# Altium PCB BTF16.PcbDoc (part 3 of 4) (continued)
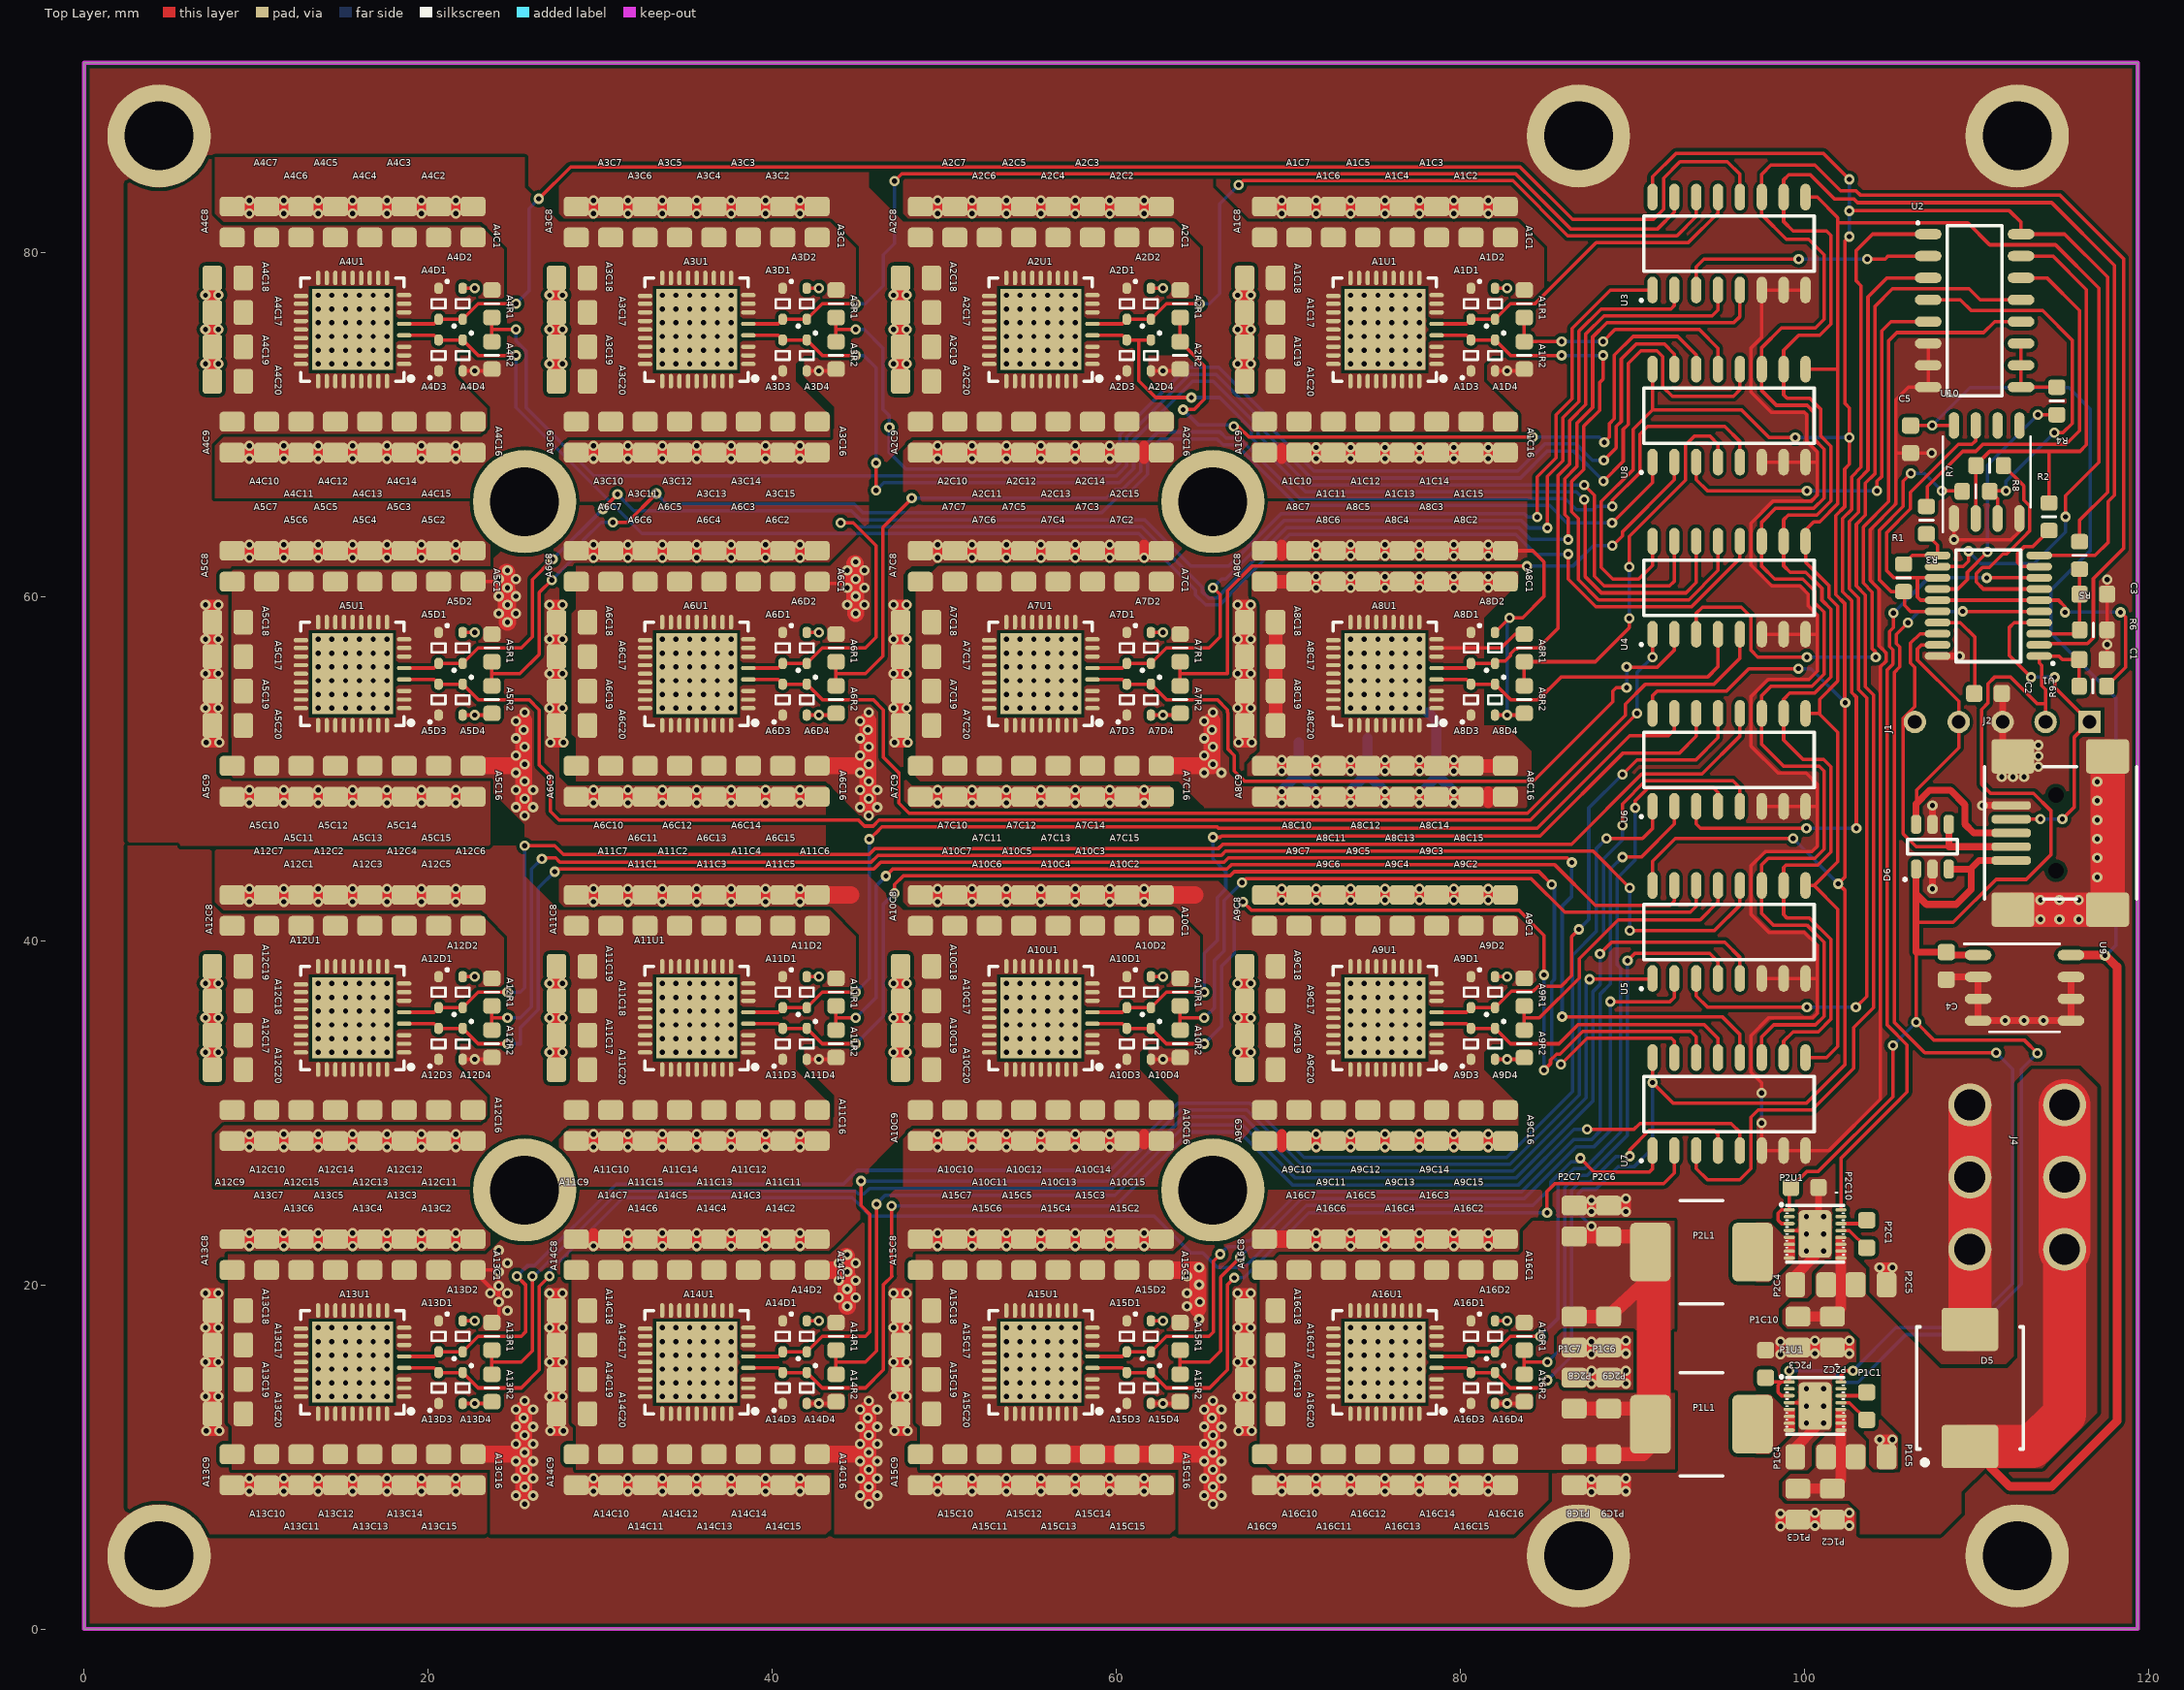
[diagram p0: Top Layer view]
## Nets (pads, with @x,y where several pads share a name; then routed paths per layer and width w, separated by ;. In a path a pad name is that pad's centre, name@x,y a point inside that pad or via, vN(x,y) a via of type N, cw(c..) or ccw(c..) an arc to the next point about the centre after c; other vN are vias at no path point) (continued)
  Top Layer w0.8: P2U1.17@100.6,22.95 P2U1.17@100.8,23.15
  Top Layer w2: J2.9@112.1,41.8 J2.8@117.6,41.8 J2.7@117.6,50.7
  Top Layer w2.5: D5.2@109.6,17.4 J4.6@109.6,22.05 J4.5@109.6,26.25 J4.4@109.6,30.45
  Bottom Layer w0.2: v1(97.5,29.4) v1(97.5,31.15)
  other v1: 100.6,6 100.6,6.75 100.1,11.95 101.1,11.95 100.1,12.95 101.1,12.95 100.1,13.95 101.1,13.95 100.6,16 100.6,16.75 100.1,21.95 101.1,21.95 100.1,22.95 101.1,22.95 100.1,23.95 101.1,23.95 111.65,35.35 112.75,35.35 113.875,35.35 113.7,41.225 114.8,41.225 115.925,41.225 113.7,42.35 114.8,42.35 115.925,42.35 117,43.675 117,44.8 117,45.9 117,47 117,48.125 117,49.225 111.45,49.5 112.1,49.5 112.75,49.5 113.575,50.1 113.575,50.725 113.575,51.35 117.575,57.2 73.6,73.5 74.4,73.5 75.2,73.5 76,73.5 76.8,73.5 77.6,73.5 73.6,74.3 74.4,74.3 75.2,74.3 76,74.3 76.8,74.3 77.6,74.3 73.6,75.1 74.4,75.1 75.2,75.1 76,75.1 76.8,75.1 77.6,75.1 73.6,75.9 74.4,75.9 75.2,75.9 76,75.9 76.8,75.9 77.6,75.9 73.6,76.7 74.4,76.7 75.2,76.7 76,76.7 76.8,76.7 77.6,76.7 73.6,77.5 74.4,77.5 75.2,77.5 76,77.5 76.8,77.5 77.6,77.5
MCLR: J1.1 J2.4 U1.4 | length 19.3
  Top Layer w0.2: J2.4@112,47.05 v1(113.7,47.05) ; v1(113.15,55.3) 111.9,56.55 111.9,58.2 112.175,58.475 U1.4@113.625,58.475 ; v1(114.525,55.3) 114.525,54.725 J1.1@116.55,52.7 115.65,51.8 115.65,47.725 v1(114.975,47.05)
  Bottom Layer w0.2: v1(113.15,55.3) v1(114.525,55.3) ; v1(113.7,47.05) v1(114.975,47.05)
P1BOOT: P1C1.1 P1U1.14 | length 1.6
  Top Layer w0.2: P1U1.14@102.1,13.55 103.4,13.55 P1C1.1@103.6,13.75
P1BOOT_R: P1C1.2 P1U1.13 | length 1.9
  Top Layer w0.2: P1U1.13@102.1,13.15 102.6,13.15 P1C1.2@103.6,12.15
P1SW: P1L1.2 P1U1.5 P1U1.6 P1U1.7 P1U1.8 | length 0.6
  Top Layer w0.6: P1L1.2@96.975,11.9 P1L1.2@97.425,12.35
P1VDD: A16C1.1 A16C2.1 A16C3.1 A16C4.1 A16C5.1 A16C6.1 A16C7.1 A16C8.1 A16C9.1 A16C10.1 A16C11.1 A16C12.1 A16C13.1 A16C14.1 A16C15.1 A16C16.1 A16C17.1 A16C18.1 A16C19.1 A16C20.1 A16D1.1 A16D3.1 A16R1.1 A16U1.1 A16U1.2 A16U1.3 A16U1.4 A16U1.5 A16U1.6 A16U1.7 A16U1.8 A16U1.9 A16U1.10 A16U1.11 A16U1.12 A16U1.13 A16U1.14 A16U1.15 A16U1.16 A16U1.17 A16U1.18 A16U1.19 A16U1.20 A16U1.21 A16U1.24 A16U1.25 A16U1.26 A16U1.27 A16U1.28 A16U1.29 A16U1.30 A16U1.31 A16U1.32 A16U1.33 A16U1.34 A16U1.35 P1C6.1 P1C7.1 P1C8.1 P1C9.1 P1L1.1 P2C6.1 P2C7.1 P2C8.1 P2C9.1 P2L1.1 R5.1 U2.16 U3.16 U4.16 U5.16 U6.16 U7.16 U8.16 | length 213.7
  Top Layer w0.2: 91.15,61.8 90.35,61 88.85,61 88.175,61.675 88.175,65.5 90.025,67.35 90.025,69.7 91.155,70.83 91.155,71.795 ; 91.15,71.8 91.155,71.795 ; U7.16@91.155,33.2 91.155,31.745 92.35,30.55 100.1,30.55 102.35,32.8 102.35,42.9 v1(101.95,43.3) 102.35,43.7 v1(102.35,53.825) 102.325,53.85 102.325,59.581 101.8,60.106 101.8,64.689 102.325,65.214 102.325,65.678 102.325,67.4 102.6,67.675 v1(102.6,69.225) 102.6,70.95 102.35,71.2 102.35,80.65 v1(102.6,80.9) ; U5.16@91.155,43.15 U5.16@91.155,43.2 91.155,44.605 92.475,45.925 v1(99.325,45.925) ; U6.16@91.155,53.2 91.155,54.23 91.425,54.5 95.45,54.5 96.75,55.8 v1(99.625,55.8) ; 91.155,61.795 U4.16@91.155,63.2 U4.16@91.155,63.25 ; 91.155,70.825 96.325,70.825 97.925,69.225 v1@99.455,69.225 ; U8.16@91.155,73.25 U8.16@91.155,73.2 91.155,71.795 ; U3.16@91.155,83.2 91.155,84.38 92.5,85.725 101.1,85.725 v1(102.6,84.225) ; v1(102.6,82.4) 111.9,82.4 112.575,81.725 U2.16@112.575,81.045 115.105,81.045 117.6,78.55 117.6,66.05 115.975,64.425 R5.1@115.975,63.175
  Top Layer w0.8: P1C8.1@86.6,10.15 P1C9.1@88.6,10.15 90.6,10.15 91.025,10.575 91.225,11.9 90.125,12.8 P1C6.1@88.6,12.8 P1C7.1@86.6,12.8 ; P2C8.1@86.6,18.15 P2C9.1@88.6,18.15 91.225,20.575 P2L1.1@91.025,21.9 90.125,22.8 P2C6.1@88.6,22.8 P2C7.1@86.6,22.8
  Top Layer w2: P1L1.1@91.225,11.9 P2L1.1@91.225,20.575
  Bottom Layer w0.2: v1(87.6,23.4) 86.85,24.15 86.85,25.3 87.1,25.55 87.85,25.55 89.162,26.862 90.074,26.862 90.086,26.875 90.1,26.875 91.15,27.925 v1(91.15,31.75) ; v1(99.325,45.925) v1(101.95,43.3) ; v1(99.45,69.22) v1@102.595,69.22 ; v1(99.625,55.8) 100.375,55.8 v1(102.35,53.825) ; v1(102.6,80.9) v1(102.6,82.4) v1(102.6,84.225)
P2BOOT: P2C1.1 P2U1.14 | length 1.6
  Top Layer w0.2: P2U1.14@102.1,23.55 103.4,23.55 P2C1.1@103.6,23.75
P2BOOT_R: P2C1.2 P2U1.13 | length 1.9
  Top Layer w0.2: P2U1.13@102.1,23.15 102.6,23.15 P2C1.2@103.6,22.15
P2SW: P2L1.2 P2U1.5 P2U1.6 P2U1.7 P2U1.8 | length 0.6
  Top Layer w0.6: P2L1.2@96.975,21.9 P2L1.2@97.425,22.35
PGD/VREF: R1.1 R8.1 U1.16 | length 15.1
  Top Layer w0.2: R1.1@105.475,60.275 105.8,59.95 105.8,59.475 106.15,59.125 U1.16@107.725,59.125 ; R1.1@105.75,60.275 105.025,60.275 104.35,60.95 104.35,63.845 105.725,65.22 105.725,66.7 v1(106.162,67.137) ; v1@107.95,66.15 v1(107.975,66.125) R8.1@109.15,66.125
  Bottom Layer w0.2: v1(106.162,67.137) 106.962,67.137 v1(107.975,66.125)
PWM1: P1U1.16 | length 0.4
  Top Layer w0.2: 102.1,14.725 102.375,15
PWM1: U1.5 | length 64.2
  Top Layer w0.2: 102.1,14.35 102.1,14.725 ; 102.375,15 v1(102.8,15) ; v1(106,58.475) 105.325,57.8 105.325,57.255 105.525,57.055 105.525,55.895 105.2,55.57 105.2,35.25 106.975,33.475 v1(111.125,33.475) ; v1(109.175,59.125) U1.5@113.625,59.125
  Bottom Layer w0.2: v1(102.8,15) 105.3,17.5 109.5,17.5 112.075,20.075 112.075,32.525 v1(111.125,33.475) ; v1(106,58.475) 106.65,59.125 v1(109.175,59.125)
PWM2: P2U1.16
PWM2: U1.8 | length 46.4
  Top Layer w0.2: 102.1,24.35 102.1,27.334 105.525,30.759 105.525,30.775 105.95,31.2 105.95,33.934 104.8,35.084 104.8,55.736 105.125,56.061 105.125,56.889 104.925,57.089 104.925,57.966 105.15,58.191 v1(105.15,59.025) ; v1(110.575,61.075) U1.8@113.625,61.075
  Bottom Layer w0.2: v1(105.15,59.025) 107.2,61.075 v1(110.575,61.075)
REF1: A1R1.2 A1R2.1 U8.13 | length 14.6
  Top Layer w0.2: A1R1.2@83.7,76.2 A1R2.1@83.7,74.8 v1(85.875,74.8) ; v1(88.275,74.8) 88.975,75.5 93.875,75.5 94.965,74.41 U8.13@94.965,73.2
  Bottom Layer w0.2: v1(85.875,74.8) v1(88.275,74.8)
REF2: A2R1.2 A2R2.1 U8.14 | length 43.9
  Top Layer w0.2: A2R1.2@63.7,76.2 A2R2.1@63.7,74.8 65.1,73.4 65.1,71.45 64.5,70.85 v1(63.875,70.85) ; v1(66.825,69.875) 67.075,69.875 67.7,69.25 v1(84.2,69.25) ; v1(88.35,68.95) 88.65,69.25 88.65,70.031 88.937,70.319 88.937,74.012 90.025,75.1 92.625,75.1 93.695,74.03 U8.14@93.695,73.2
  Bottom Layer w0.2: v1(63.875,70.85) 64.775,69.95 66.75,69.95 v1(66.825,69.875) ; v1(84.2,69.25) 88.05,69.25 v1(88.35,68.95)
REF3: A3R1.2 A3R2.1 U8.15 | length 70.8
  Top Layer w0.2: A3R2.1@43.7,74.8 43.7,75.5 ; A3R1.2@43.7,76.2 43.7,75.5 ; v1(44.85,75.5) 43.7,75.5 ; v1(88.325,67.9) 89.05,68.625 89.05,69.866 89.337,70.153 89.337,73.787 90.225,74.675 91.825,74.675 92.425,74.075 U8.15@92.425,73.2
  Bottom Layer w0.2: v1(44.85,75.5) 45.35,75.5 46.425,74.425 46.425,70.875 46.8,70.5 v1(46.8,69.825) 46.8,68.356 47.756,67.4 59.849,67.4 60.2,67.751 60.2,69.406 64.094,73.3 65.947,73.3 69.025,70.222 69.025,69.726 71.476,67.275 83.309,67.275 84.884,68.85 86.716,68.85 87.666,67.9 v1(88.325,67.9)
REF4: A4R1.2 A4R2.1 U8.12 | length 97.1
  Top Layer w0.2: A4R2.1@23.7,74.8 23.7,75.5 ; A4R1.2@23.7,76.2 23.7,75.5 ; v1(25.1,75.5) 23.7,75.5 ; v1(88.3,66.7) 89.45,67.85 89.45,69.7 89.737,69.987 89.737,73.537 90.475,74.275 91.404,74.275 91.755,73.924 91.755,72.17 92.3,71.625 95.85,71.625 96.235,72.01 U8.12@96.235,73.2
  Bottom Layer w0.2: v1(25.1,75.5) 25.1,74.849 25.7,74.249 25.7,70.941 29.641,67 60.014,67 60.6,67.586 60.6,69.241 64.259,72.9 65.781,72.9 68.625,70.056 68.625,69.561 71.311,66.875 83.475,66.875 85.05,68.45 86.55,68.45 v1(88.3,66.7)
REF5: A5R1.2 A5R2.1 U8.1 | length 82.7
  Top Layer w0.2: A5R2.1@23.7,54.8 23.7,55.5 ; A5R1.2@23.7,56.2 23.7,55.5 ; v1(27.175,60.95) 26.45,60.225 26.45,56.625 25.325,55.5 23.7,55.5 ; v1(30.725,64.3) 31.575,64.3 v1(33.25,65.975) ; v1@88.85,64.301 91.155,66.606 U8.1@91.155,67.8
  Bottom Layer w0.2: v1(27.175,60.95) 29,62.775 29,63.249 30.051,64.3 v1(30.725,64.3) ; v1(33.25,65.975) 33.85,65.375 44.75,65.375 45.275,64.85 59.125,64.85 60.075,65.8 60.511,65.8 61.8,67.089 61.8,68.375 62.575,69.15 65.844,69.15 66.194,68.8 66.967,68.8 70.492,65.275 85.175,65.275 86.175,64.275 v1(88.8,64.275)
REF6: A6R1.2 A6R2.1 U8.5 | length 71.9
  Top Layer w0.2: A6R2.1@43.7,54.8 43.7,55.5 ; A6R1.2@43.7,56.2 43.7,55.5 ; v1(48.1,65.7) 48.1,65.675 46.425,64 46.425,56.525 45.4,55.5 43.7,55.5 ; v1(88.825,65.225) 88.825,65.584 90.425,67.184 90.425,69.425 90.875,69.875 95.35,69.875 96.235,68.99 U8.5@96.235,67.8
  Bottom Layer w0.2: v1(48.1,65.7) 59.409,65.7 59.909,66.2 60.346,66.2 61.4,67.254 61.4,68.541 62.409,69.55 66.009,69.55 66.359,69.2 67.133,69.2 70.658,65.675 86.075,65.675 86.725,65.025 87.7,65.025 87.9,65.225 v1(88.825,65.225)
REF7: A7R1.2 A7R2.1 U8.2 | length 38.8
  Top Layer w0.2: A7R2.1@63.7,54.8 63.7,55.5 ; A7R1.2@63.7,56.2 63.7,55.5 ; v1(83.85,61.75) 67.875,61.75 66.45,60.325 66.45,55.5 63.7,55.5 ; v1(88.825,62.95) 88.85,62.95 89.4,63.5 89.4,63.75 92.425,66.775 U8.2@92.425,67.8
  Bottom Layer w0.2: v1(83.85,61.75) 86.525,61.75 87.725,62.95 v1(88.825,62.95)
REF8: A8R1.2 A8R2.1 U8.4 | length 23.6
  Top Layer w0.2: A8R2.1@83.7,54.8 A8R1.2@83.7,56.2 87.825,56.2 89.8,58.175 v1(89.8,58.725) ; v1(89.8,61.7) 89.8,63.475 93.075,66.75 93.075,68.8 93.575,69.3 94.5,69.3 94.965,68.835 U8.4@94.965,67.8
  Bottom Layer w0.2: v1(89.8,58.725) v1(89.8,61.7)
REF9: A9R1.2 A9R2.1 U5.13 | length 17.1
  Top Layer w0.2: A9R2.1@83.7,34.8 83.7,35.5 ; A9R1.2@83.7,36.2 83.7,35.5 ; U5.13@94.965,43.2 94.965,42.24 93.925,41.2 89.156,41.2 86.9,38.944 86.9,37.825 84.575,35.5 83.7,35.5
REF10: A10R1.2 A10R2.1 U5.14 | length 40.2
  Top Layer w0.2: A10R2.1@63.7,34.8 63.7,35.5 ; A10R1.2@63.7,36.2 63.7,35.5 ; v1(65.1,35.5) 63.7,35.5 ; v1(67.3,43.375) 67.525,43.6 84.1,43.6 86.05,41.65 93.35,41.65 93.695,41.995 U5.14@93.695,43.2
  Bottom Layer w0.2: v1(65.1,35.5) 65.7,36.1 65.7,38.85 66.25,39.4 66.25,42.325 v1(67.3,43.375)
REF11: A11R1.2 A11R2.1 U5.15 | length 59.6
  Top Layer w0.2: A11R2.1@43.7,34.8 43.7,35.5 ; A11R1.2@43.7,36.2 43.7,35.5 ; v1(44.85,35.5) 43.7,35.5 ; v1(46.6,43.75) 47,44.15 66.425,44.15 66.675,44.4 85.475,44.4 87.825,42.05 92.175,42.05 92.425,42.3 U5.15@92.425,43.2
  Bottom Layer w0.2: v1(44.85,35.5) 46.037,36.687 46.037,43.187 v1(46.6,43.75)
REF12: A12R1.2 A12R2.1 U5.12 | length 88
  Top Layer w0.2: A12R2.1@23.7,34.8 23.7,35.5 ; A12R1.2@23.7,36.2 23.7,35.5 ; v1(24.6,35.5) 23.7,35.5 ; v1@26.6,44.8 27.399,44.8 27.649,44.55 45.733,44.55 46.133,44.95 66.094,44.95 66.344,45.2 66.716,45.2 87.7,45.2 v1(89.837,43.062) ; v1(89.825,40.575) 94.75,40.575 96.235,42.06 U5.12@96.235,43.2
  Bottom Layer w0.2: v1(24.6,35.5) 25.35,35.5 26,36.15 26,44.15 v1(26.6,44.75) ; v1(89.825,40.575) 89.837,40.587 v1(89.837,43.062)
REF13: A13R1.2 A13R2.1 U5.1 | length 87.3
  Top Layer w0.2: A13R2.1@23.7,14.8 23.7,15.5 ; A13R1.2@23.7,16.2 23.7,15.5 ; v1(26.05,20.5) 26.05,16.15 25.4,15.5 23.7,15.5 ; v1(87.5,37.75) 91.105,37.75 U5.1@91.155,37.8
  Bottom Layer w0.2: v1(26.05,20.5) 26.141,20.5 31.091,25.45 44.816,25.45 44.991,25.275 45.325,25.275 45.65,25.6 59.75,25.6 63.9,29.75 67.406,29.75 70.556,26.6 83.037,26.6 87.3,30.863 87.3,37.55 v1(87.5,37.75)
REF14: A14R1.2 A14R2.1 U5.5 | length 77.9
  Top Layer w0.2: A14R2.1@43.7,14.8 43.7,15.5 ; A14R1.2@43.7,16.2 43.7,15.5 ; v1(46.05,24.675) 46.05,16.15 45.4,15.5 43.7,15.5 ; v1(88.1,39.225) 88.775,39.9 95.35,39.9 96.235,39.015 U5.5@96.235,37.8
  Bottom Layer w0.2: v1(46.05,24.675) 46.05,24.7 46.55,25.2 59.916,25.2 63.991,29.275 67.316,29.275 70.391,26.2 83.203,26.2 87.7,30.697 87.7,37.041 88.1,37.441 v1(88.1,39.225)
REF15: A15R1.2 A15R2.1 U5.2 | length 47.3
  Top Layer w0.2: A15R2.1@63.7,14.8 63.7,15.5 ; A15R1.2@63.7,16.2 63.7,15.5 ; v1(67.175,21.6) 67.199,21.6 67.324,21.725 67.325,21.724 66.05,20.449 66.05,16.15 65.4,15.5 63.7,15.5 ; v1(88.7,36.45) 92.175,36.45 92.425,36.7 U5.2@92.425,37.8
  Bottom Layer w0.2: v1(67.175,21.6) 67.175,21.625 67.7,22.15 67.916,22.15 70.766,25 83.7,25 86.725,28.025 87.764,28.025 88.7,28.961 v1(88.7,36.45)
REF16: A16R1.2 A16R2.1 U5.4 | length 35
  Top Layer w0.2: A16R2.1@83.7,14.8 83.7,15.5 ; A16R1.2@83.7,16.2 83.7,15.5 ; v1(85.05,15.5) 83.7,15.5 ; v1(89.7,38.825) 90.125,39.25 94.475,39.25 94.965,38.76 U5.4@94.965,37.8
  Bottom Layer w0.2: v1(85.05,15.5) 86.05,16.5 86.05,25.641 86.759,26.35 87.364,26.35 89.7,28.686 v1(89.7,38.825)
REFH: U2.3 U5.3 | length 56.9
  Top Layer w0.2: U5.3@93.695,37.8 93.695,36.78 94.35,36.125 v1(100.125,36.125) ; v1(102.975,36.125) 103.6,36.75 103.6,54.109 103.125,54.584 103.125,59.912 102.6,60.437 102.6,64.357 103.125,64.882 103.125,65.347 103.125,66.784 103.675,67.334 103.675,77.4 104.78,78.505 U2.3@107.175,78.505
  Bottom Layer w0.2: v1(100.125,36.125) v1(102.975,36.125)
REFL: U2.5 U8.3 | length 24.1
  Top Layer w0.2: U8.3@93.695,67.8 93.695,66.78 94.35,66.125 v1(100.125,66.125) ; v1(104.2,66.125) 104.2,66.684 104.475,66.959 104.475,75.425 105.015,75.965 U2.5@107.175,75.965
  Bottom Layer w0.2: v1(100.125,66.125) v1(104.2,66.125)
S0: U1.2 U3.11 U4.11 U5.11 U6.11 U7.11 U8.11 | length 127.9
  Top Layer w0.2: U7.11@97.505,33.2 97.505,34.405 98.2,35.1 100.625,35.1 101.125,35.6 101.125,39.9 100.125,40.9 98.175,40.9 97.505,41.57 U5.11@97.505,43.2 97.505,44.405 97.875,44.775 100.591,44.775 101.125,45.309 101.125,49.85 100.85,50.125 98.775,50.125 97.505,51.395 U6.11@97.505,53.2 97.505,54.239 98.041,54.775 100.416,54.775 101.125,55.484 101.125,59.084 100.6,59.609 100.6,60.294 99.894,61 98.25,61 97.505,61.745 U4.11@97.505,63.2 97.505,64.314 98.316,65.125 100.539,65.125 101.125,65.711 101.125,66.175 101.125,68.559 100.525,69.159 100.525,70.709 100.134,71.1 98.35,71.1 97.505,71.945 U8.11@97.505,73.2 97.505,74.455 98.65,75.6 100.625,75.6 101.125,76.1 101.125,79.85 100.225,80.75 98.925,80.75 97.505,82.17 U3.11@97.505,83.2 97.505,84.53 98.025,85.05 100.6,85.05 102.075,83.575 102.975,83.575 103.25,83.3 114.85,83.3 118.525,79.625 118.525,62.775 116.775,61.025 116.775,57.592 116.433,57.25 113.7,57.25 U1.2@113.625,57.175
S1: U1.10 U3.10 U4.10 U5.10 U6.10 U7.10 U8.10 | length 112.9
  Top Layer w0.2: U7.10@98.775,33.2 98.775,34.15 99.325,34.7 100.791,34.7 101.525,35.434 101.525,40.066 100.291,41.3 98.975,41.3 98.775,41.5 U5.10@98.775,43.2 98.775,44.241 98.909,44.375 100.756,44.375 101.525,45.144 101.525,50.1 101.1,50.525 99.9,50.525 98.775,51.65 U6.10@98.775,53.2 98.775,54.025 99.125,54.375 100.581,54.375 101.525,55.319 101.525,59.25 101,59.775 101,60.459 100.059,61.4 99.15,61.4 98.775,61.775 U4.10@98.775,63.2 98.775,64.45 99.05,64.725 100.705,64.725 101.525,65.545 101.525,66.01 101.525,68.725 100.925,69.325 100.925,70.875 100.3,71.5 98.975,71.5 98.775,71.7 U8.10@98.775,73.2 98.775,74.3 99.65,75.175 100.875,75.175 101.525,75.825 101.525,80.975 101.275,81.225 99.325,81.225 98.775,81.775 U3.10@98.775,83.2 98.775,84.2 99.075,84.5 100.325,84.5 101.75,83.075 102.875,83.075 103.075,82.875 114.35,82.875 118,79.225 118,65.884 117.625,65.509 117.625,63.125 116.875,62.375 U1.10@113.625,62.375
S2: U1.12 U3.9 U4.9 U5.9 U6.9 U7.9 U8.9 | length 101.1
  Top Layer w0.2: U7.9@100.045,33.2 101.275,33.2 101.925,33.85 101.925,41.825 100.55,43.2 ; U6.9@100.045,53.2 100.875,53.2 ; U4.9@100.045,63.2 100.045,63.845 100.525,64.325 100.871,64.325 101.925,65.379 101.925,65.844 101.925,73.2 ; U8.9@100.045,73.2 101.925,73.2 ; U3.9@100.045,83.2 100.725,83.2 101.925,82 101.925,73.2 ; U4.9@100.05,63.2 100.05,61.975 101.4,60.625 101.4,59.94 101.925,59.415 101.925,55.075 100.875,54.025 100.875,53.2 ; 101.925,81.7 109.475,81.7 110.75,80.425 114.575,80.425 117.1,77.9 117.1,67.8 115.15,65.85 v1(115.15,64.625) ; U1.12@107.725,61.725 109.211,61.725 109.525,62.039 v1(109.525,62.625) ; 100.55,43.2 U5.9@100.045,43.2 100.55,43.2 ; 100.55,43.2 101.925,44.575 101.925,52.1 100.875,53.15 100.875,53.2
  Bottom Layer w0.2: v1(109.525,62.625) 109.525,62.6 110.225,61.9 113.325,61.9 115.15,63.725 v1(115.15,64.625)
S3: R4.1 U2.9 U2.10 U2.11 | length 4.6
  Top Layer w0.2: U2.11@112.575,74.695 U2.10@112.575,73.425 U2.9@112.575,72.155 112.58,72.15 R4.1@114.65,72.15
SCK: R1.2 R3.2 U1.11 | length 3.7
  Top Layer w0.2: R1.2@105.75,61.875 106.25,62.375 U1.11@107.725,62.375 107.725,62.975 R3.2@107.075,63.625
SCL1: U4.13
SCL1: A1D3.2 A1D4.1 A1U1.22 | length 35.3
  Top Layer w0.2: A1U1.22@78.6,75.167 80.333,75.167 A1D3.2@80.6,74.9 A1D4.1@82,74.9 ; A1D4.1@82,74.75 A1D4.1@82,74.9 ; v1(85.875,74) 82.9,74 A1D4.1@82,74.9 ; v1(88.275,74) 88.275,72.625 88.075,72.425 88.075,70.812 87.15,69.887 87.15,67.375 86.45,66.675 86.45,64.916 86.85,64.516 86.85,60.966 88.016,59.8 93.259,59.8 94.965,61.506 94.965,63.2
  Bottom Layer w0.2: v1(85.875,74) v1(88.275,74)
SCL2: U4.14
SCL2: A2D3.2 A2D4.1 A2U1.22 | length 49.1
  Top Layer w0.2: A2U1.22@58.6,75.167 60.333,75.167 A2D3.2@60.6,74.9 61.3,74.9 ; A2D4.1@62,74.75 A2D4.1@62,74.9 61.3,74.9 ; v1(64.35,71.55) 62.275,71.55 61.3,72.525 61.3,74.9 ; v1(87.175,65.625) 87.25,65.55 87.25,61.131 88.181,60.2 93.094,60.2 93.695,60.801 93.695,63.2
  Bottom Layer w0.2: v1(64.35,71.55) 66,71.55 67.825,69.725 67.825,69.229 70.979,66.075 86.725,66.075 v1(87.175,65.625)
SCL3: U4.15
SCL3: A3D3.2 A3D4.1 A3U1.22 | length 75.9
  Top Layer w0.2: A3U1.22@38.6,75.167 40.333,75.167 A3D3.2@40.6,74.9 A3D4.1@42,74.9 ; A3D4.1@42,74.75 A3D4.1@42,74.9 ; v1(44.85,74) 42.9,74 A3D4.1@42,74.9 ; v1(46.025,66.15) v1(46.025,67.75) ; v1(87.175,66.475) 87.775,65.875 87.775,61.172 88.347,60.6 92.15,60.6 92.425,60.875 92.425,63.2
  Bottom Layer w0.2: v1(44.85,74) 45.3,74 46.025,73.275 v1(46.025,67.75) ; v1(46.025,66.15) 46.475,66.6 60.18,66.6 61,67.42 61,69.075 64.425,72.5 65.616,72.5 68.225,69.891 68.225,69.395 71.145,66.475 v1(87.175,66.475)
SCL4: U4.12
SCL4: A4D3.2 A4D4.1 A4U1.22 | length 92.7
  Top Layer w0.2: A4U1.22@18.6,75.167 20.333,75.167 A4D3.2@20.6,74.9 A4D4.1@22,74.9 ; A4D4.1@22,74.75 A4D4.1@22,74.9 ; v1(25.1,74) 22.9,74 A4D4.1@22,74.9 ; v1(86.25,62.45) 86.25,61 87.85,59.4 93.425,59.4 96.235,62.21 96.235,63.2
  Bottom Layer w0.2: v1(25.1,74) 25.1,70.975 32.425,63.65 61.3,63.65 64.6,60.35 64.6,60.086 65.186,59.5 66.014,59.5 66.6,60.086 66.6,60.136 70.064,63.6 83.203,63.6 84.353,62.45 v1(86.25,62.45)
SCL5: U4.1
SCL5: A5D3.2 A5D4.1 A5U1.22 | length 86.1
  Top Layer w0.2: A5U1.22@18.6,55.167 20.333,55.167 A5D3.2@20.6,54.9 A5D4.1@22,54.9 ; A5D4.1@22,54.75 A5D4.1@22,54.9 ; v1(90.25,53.2) 90.25,53.194 84.056,47 46.199,47 45.849,46.65 45.351,46.65 45.001,47 27.6,47 27.1,47.5 27.1,49.55 26.45,50.2 26.45,53.4 25.85,54 22.9,54 A5D4.1@22,54.9 ; v1(91.15,56.475) 91.15,57.795 91.155,57.8
  Bottom Layer w0.2: v1(90.25,53.2) 90.25,55.575 v1(91.15,56.475)
SCL6: U4.5
SCL6: A6D3.2 A6D4.1 A6U1.22 | length 69.1
  Top Layer w0.2: A6U1.22@38.6,55.167 40.333,55.167 A6D3.2@40.6,54.9 A6D4.1@42,54.9 ; A6D4.1@42,54.75 A6D4.1@42,54.9 ; 96.235,57.8 96.235,56.41 94.725,54.9 90.75,54.9 89.575,53.725 89.575,53.084 83.891,47.4 47.944,47.4 47.35,47.994 47.35,49.75 46.45,50.65 46.45,53.4 45.85,54 42.9,54 A6D4.1@42,54.9
SCL7: U4.2
SCL7: A7D3.2 A7D4.1 A7U1.22 | length 43.4
  Top Layer w0.2: A7U1.22@58.6,55.167 60.333,55.167 A7D3.2@60.6,54.9 A7D4.1@62,54.9 ; A7D4.1@62,54.75 A7D4.1@62,54.9 ; v1(89.65,54.7) 89.05,54.7 88.85,54.5 88.85,53.873 84.227,49.25 67.45,49.25 66.85,49.85 66.85,50.75 66.475,51.125 66.475,53.226 66.45,53.251 66.45,53.4 65.85,54 62.9,54 A7D4.1@62,54.9 ; v1(89.65,55.9) 89.675,55.875 91.425,55.875 92.425,56.875 92.425,57.8
  Bottom Layer w0.2: v1(89.65,54.7) v1(89.65,55.9)
SCL8: U4.4
SCL8: A8D3.2 A8D4.1 A8U1.22 | length 19.7
  Top Layer w0.2: A8U1.22@78.6,55.167 80.333,55.167 A8D3.2@80.6,54.9 A8D4.1@82,54.9 ; A8D4.1@82,54.75 A8D4.1@82,54.9 ; 94.965,57.8 94.965,55.915 94.35,55.3 85.825,55.3 84.525,54 82.9,54 A8D4.1@82,54.9
SCL9: U7.13
SCL9: A9D3.2 A9D4.1 A9U1.22 | length 18.9
  Top Layer w0.2: A9U1.22@78.6,35.167 80.333,35.167 A9D3.2@80.6,34.9 A9D4.1@82,34.9 ; A9D4.1@82,34.75 A9D4.1@82,34.9 ; 94.965,33.2 94.965,34.31 94.15,35.125 86.85,35.125 85.725,34 82.9,34 A9D4.1@82,34.9
SCL10: U7.14
SCL10: A10D3.2 A10D4.1 A10U1.22 | length 53.7
  Top Layer w0.2: A10U1.22@58.6,35.167 60.333,35.167 A10D3.2@60.6,34.9 A10D4.1@62,34.9 ; A10D4.1@62,34.75 A10D4.1@62,34.9 ; v1(65.1,34) 62.9,34 A10D4.1@62,34.9 ; v1(67.35,42.25) 67.85,41.75 83.4,41.75 84.85,40.3 v1(84.85,38) ; v1(84.85,32.475) 85.225,32.85 85.225,33.049 85.576,33.4 85.775,33.4 87.1,34.725 93.375,34.725 93.695,34.405 93.695,33.2
  Bottom Layer w0.2: v1(65.1,34) 66.1,35 66.1,38.5 66.85,39.25 66.85,41.75 v1(67.35,42.25) ; v1(84.85,32.475) v1(84.85,38)
SCL11: U7.15
SCL11: A11D3.2 A11D4.1 A11U1.22 | length 74.8
  Top Layer w0.2: A11U1.22@38.6,35.167 40.333,35.167 A11D3.2@40.6,34.9 A11D4.1@42,34.9 ; A11D4.1@42,34.75 A11D4.1@42,34.9 ; v1(44.85,34) 42.9,34 A11D4.1@42,34.9 ; v1(47.1,42.75) 47.1,43.25 47.6,43.75 66.591,43.75 66.841,44 84.55,44 v1(85.3,43.25) ; v1(85.825,32.8) 87.35,34.325 92.25,34.325 92.425,34.15 92.425,33.2
  Bottom Layer w0.2: v1(44.85,34) 46.437,35.587 46.437,42.087 v1@46.975,42.625 ; v1(85.3,43.25) 85.45,43.1 85.45,37.751 85.3,37.601 85.3,33.325 v1(85.825,32.8)
SCL12: U7.12